# KiCad board OLD_PCB.kicad_pcb (continued)
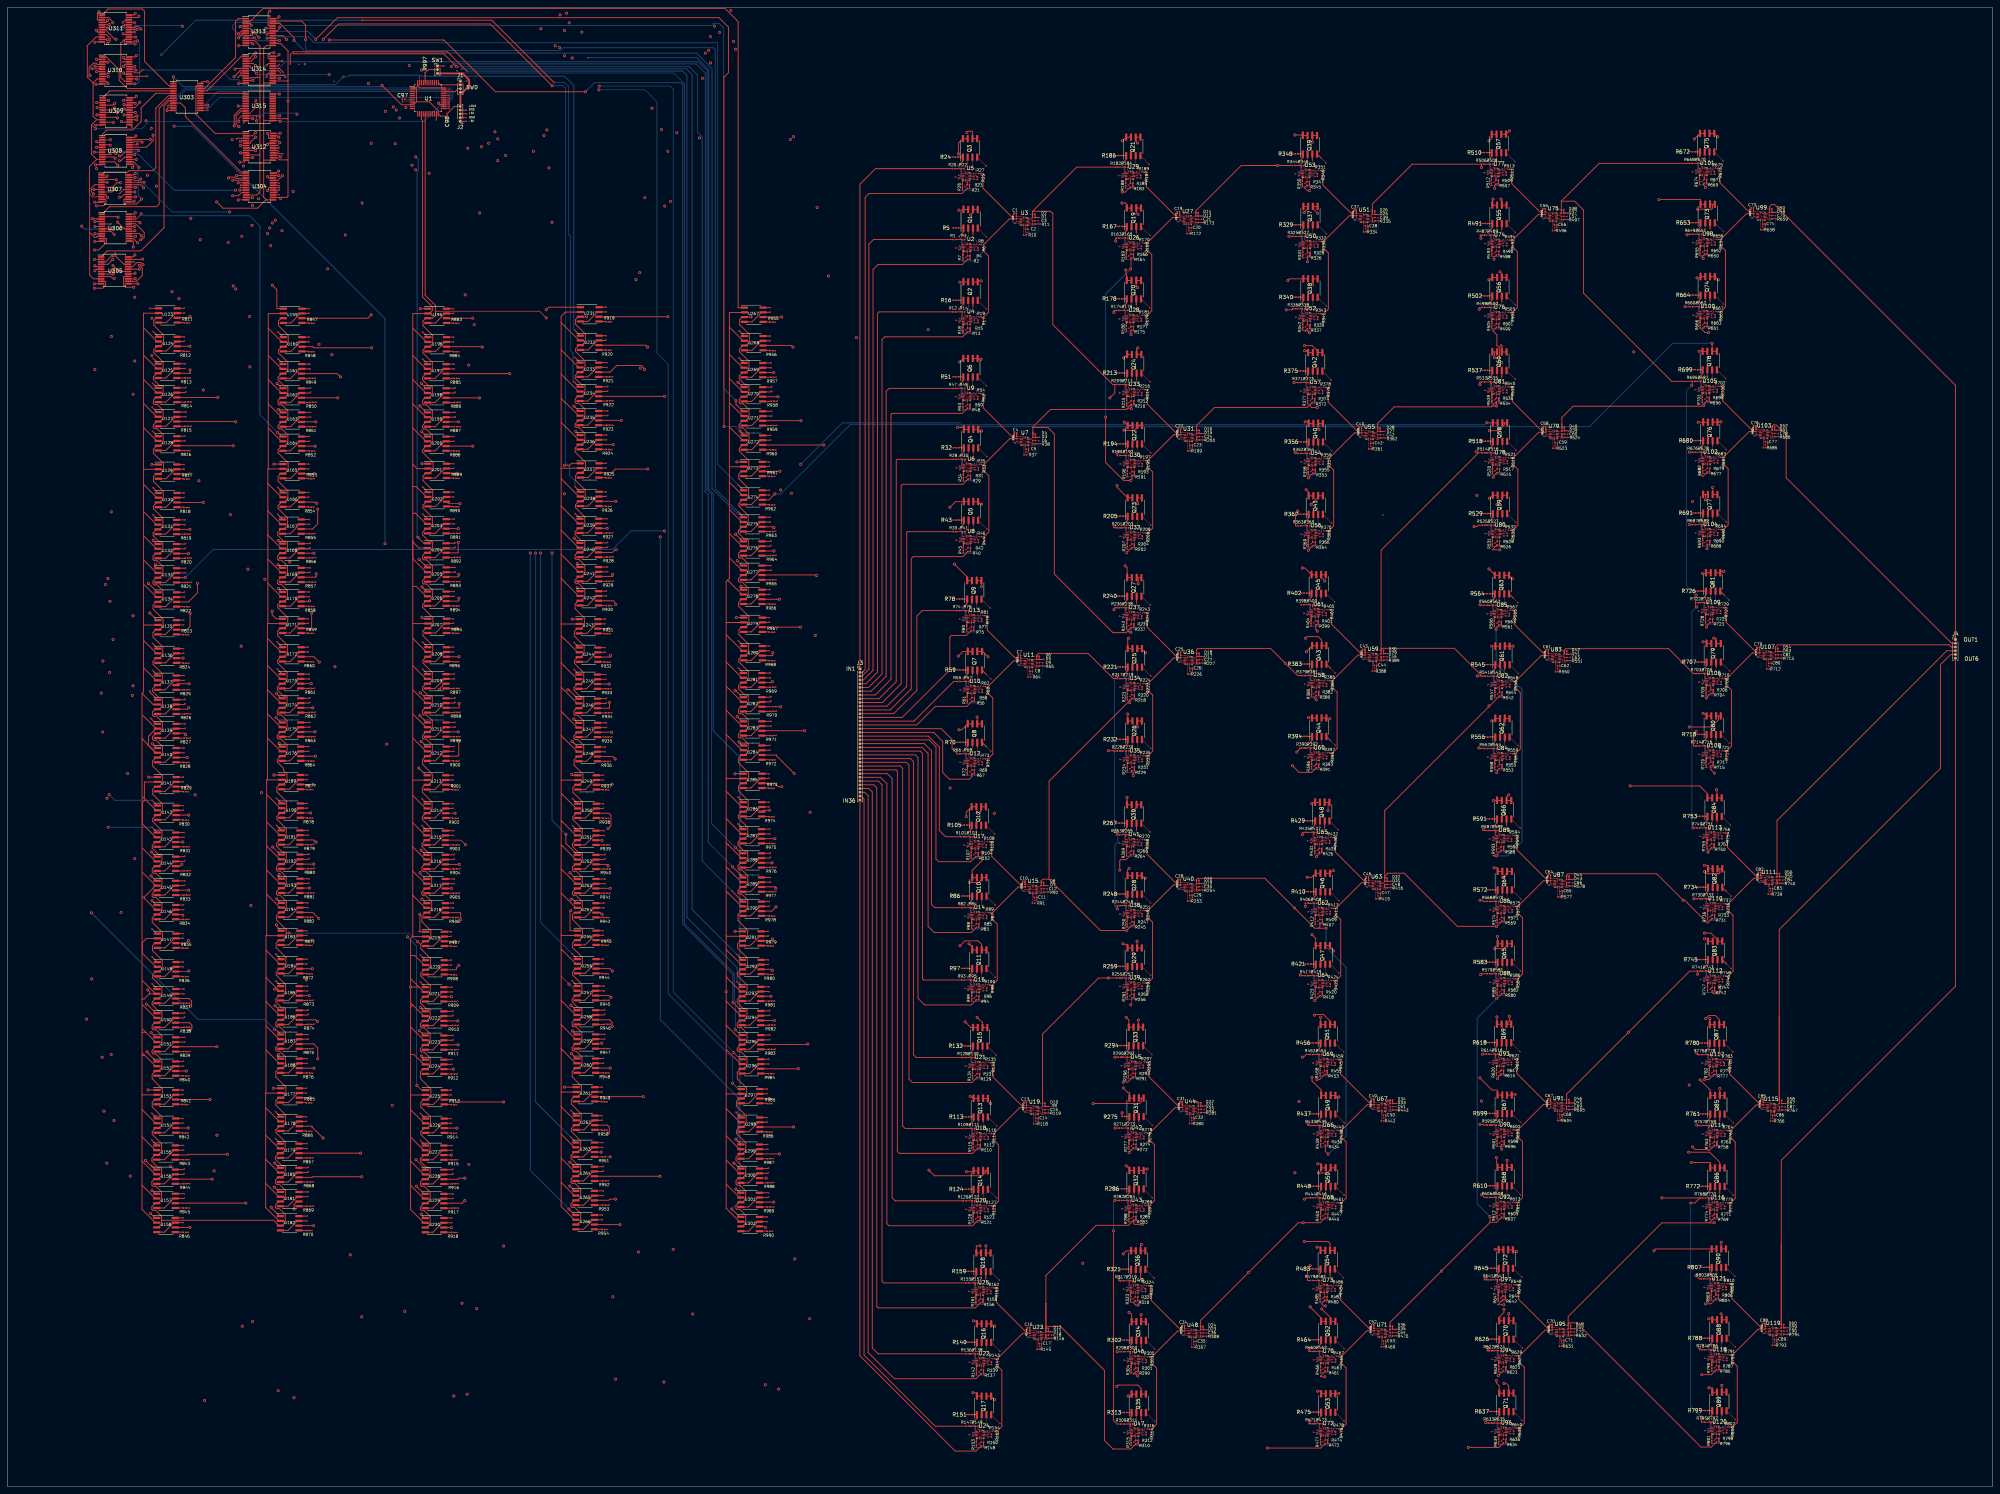
[diagram p0: board, top side]
## Routing (per net, layer and track width the routed paths; a pad name or vN(x,y) marks a point on that pad's centre or on a via; arc(x,y) is an arc through that point) (continued)
/W112: length 264.2
  Top w0.25: v2(48.71,304.54) 48.69,304.52 U124.6 ; Q3.5 258.89,359.96 257.65,359.96 Q3.6 257.63,361.88 257.55,361.96 256.44,361.96 v2(256.13,361.65)
  In1.Cu w0.25: v2(245.83,308.99) 245.83,351.35 v2(256.13,361.65)
  In2.Cu w0.25: v2(48.71,304.54) 81.31,304.54 83.12,306.35 158.74,306.35 159.14,306.75 160.38,306.75 161.63,308 195.65,308 196.64,308.99 v2(245.83,308.99)
/W113: length 250.8
  Top w0.25: Q1.8 255.24,342.01 Q1.8 ; Q1.8 255.26,341.03 ; Q1.8 255.07,340.87 v2(254,340.87) ; 255.26,341.03 255.23,341.03 ; 255.26,341.03 256.5,341.03 Q1.7 ; U125.6 48.79,297.32 48.81,297.34 48.73,297.41 v2(48.73,298.2)
  In1.Cu w0.25: v2(48.73,298.2) 48.73,298.84 51.48,301.59 v2(51.48,332.99)
  In2.Cu w0.25: v2(254,340.87) 253.98,340.85 215.87,340.85 215.85,340.87 94.22,340.87 86.35,332.99 v2(51.48,332.99)
/W114: length 259.7
  Top w0.25: Q1.5 259.04,341.03 257.8,341.03 Q1.6 ; v2(56.17,290.86) 45.23,290.86 45.21,290.87 U126.6 ; Q1.6 257.78,340.24 v2(257.15,339.6) ; Q1.6 257.78,341.99 Q1.6
  In1.Cu w0.25: v2(56.17,290.86) 58.92,293.61 v2(58.92,332.23)
  In2.Cu w0.25: v2(257.15,339.6) 145.02,339.6 140.96,335.54 90.31,335.54 87,332.23 v2(58.92,332.23)
/W115: length 249.8
  Top w0.25: Q2.8 255.24,322.69 255.24,322.69 Q2.8 ; Q2.8 255.25,321.7 ; Q2.7 256.5,321.7 255.25,321.7 ; 255.25,321.7 255.22,321.7 255.15,321.63 v2(254.28,321.63) ; v2(60.93,284.33) 60.8,284.46 45.23,284.46 U127.6
  In2.Cu w0.25: v2(254.28,321.63) 246.95,321.63 244.95,319.64 61.13,319.64 v2(60.93,319.84)
  In3.Cu w0.25: v2(60.93,284.33) v2(60.93,319.84)
/W116: length 263.1
  Top w0.25: Q2.6 257.78,322.67 257.78,322.67 Q2.6 ; Q2.6 257.79,321.7 259.04,321.7 Q2.5 259.33,322 v2(259.97,322) ; U128.6 45.21,277.96 v2(60.27,277.96)
  In2.Cu w0.25: v2(259.97,322) 259.61,322.36 247.03,322.36 244.76,320.09 67.27,320.09 66.73,320.63 v2(60.27,320.63)
  In3.Cu w0.25: v2(60.27,320.63) 60.2,320.56 60.2,278.03 v2(60.27,277.96)
/W121: length 224
  Top w0.25: v2(254.21,300.29) 255.18,301.26 255.21,301.26 ; 255.21,301.26 256.45,301.26 Q6.7 ; 255.21,301.26 Q6.8 ; U129.6 v2(48.62,270.42)
  In2.Cu w0.25: v2(254.21,300.29) 248.27,294.35 195.54,294.35 195.35,294.17 163.11,294.17 151.42,282.48 60.68,282.48 v2(48.62,270.42)
/W122: length 250.8
  Top w0.25: v2(259.93,301.06) 259.22,301.06 Q6.5 258.99,301.26 257.75,301.26 Q6.6 ; U130.6 v2(52.28,262.82)
  In2.Cu w0.25: v2(52.28,292.85) 157.87,292.85 160.82,295.81 196.06,295.81 201.76,301.51 259.48,301.51 v2(259.93,301.06)
  In3.Cu w0.25: v2(52.28,262.82) v2(52.28,292.85)
/W123: length 231
  Top w0.25: 255.34,282.82 255.34,283.31 Q4.8 255.36,282.33 256.6,282.33 Q4.7 ; 255.34,282.82 255.34,282.34 ; 255.34,282.82 253.69,282.82 v2(253.64,282.88) ; U131.6 v2(48.71,255.62)
  In2.Cu w0.25: v2(51.11,268.62) 140.77,268.62 147.4,275.25 193.88,275.25 194.05,275.42 205.25,275.42 212.72,282.88 v2(253.64,282.88)
  In3.Cu w0.25: v2(48.71,255.62) 51.11,258.01 v2(51.11,268.62)
/W124: length 232.8
  Top w0.25: v2(48.35,249.15) 45.15,249.15 45.13,249.17 U132.6 ; 257.88,282.34 257.88,283.29 Q4.6 257.9,282.33 259.14,282.33 Q4.5 259.6,281.89 v2(260.08,281.89)
  In2.Cu w0.25: v2(260.08,281.89) 259.89,281.7 213.04,281.7 205.85,274.51 194.42,274.51 194.25,274.34 172.53,274.34 161.42,263.23 120.32,263.23 114.6,257.51 56.71,257.51 v2(48.35,249.15)
/W125: length 221.8
  Top w0.25: Q5.8 253.11,263.01 v2(251.6,261.5) ; Q5.8 255.34,263.99 Q5.8 ; Q5.8 255.35,263 256.6,263 Q5.7 ; v2(47.5,242.8) 47.41,242.72 U133.6
  In4.Cu w0.25: v2(175.4,255.2) 181.7,261.5 v2(251.6,261.5)
  Bottom w0.25: v2(175.4,255.2) 166.47,255.2 161.5,250.23 54.93,250.23 v2(47.5,242.8)
/W126: length 231.8
  Top w0.25: Q5.6 257.89,263 259.14,263 Q5.5 259.79,262.37 v2(260.07,262.37) ; Q5.6 257.88,263.97 Q5.6 ; v2(50.73,241.22) 50.73,238.68 48.3,236.25 45.14,236.25 45.12,236.27
  In2.Cu w0.25: v2(50.73,241.22) 52.54,243.03 82.97,243.03 83.14,242.87 193.42,242.87 203.65,253.09 210.91,253.09 220.19,262.37 v2(260.07,262.37)
/W131: length 225.4
  Top w0.25: 256.24,242.91 256.24,242.91 256.24,241.94 ; 256.24,242.91 Q9.8 256.25,241.93 257.5,241.93 Q9.7 ; 256.24,242.91 v2(252.82,246.33) ; v2(48.74,233.28) 48.74,229.67 47.91,228.84 U135.6
  In2.Cu w0.25: v2(252.82,246.33) 208.49,246.33 198.42,236.27 162.09,236.27 161.6,235.78 73.72,235.78 70.94,233 49.02,233 v2(48.74,233.28)
/W132: length 228
  Top w0.25: Q9.5 260.04,241.93 259.87,241.93 ; U136.6 v2(46.91,221.24) ; 258.78,241.94 258.78,242.89 258.78,242.89 Q9.6 258.79,241.93 259.87,241.93 ; v2(260.03,240.35) 260.03,241.78 259.87,241.93
  In2.Cu w0.25: v2(260.03,240.35) 226.41,240.35 207.13,221.08 204.63,221.08 204.34,220.79 83.64,220.79 83.19,221.24 v2(46.91,221.24)
/W133: length 218.9
  Top w0.25: U137.6 45.35,214.39 v2(48.5,214.39) ; Q7.7 257.65,222.99 256.4,222.99 Q7.8 ; Q7.8 255.1,223 v2(253.9,221.8) ; Q7.8 256.39,223.97 256.39,223
  In4.Cu w0.25: v2(253.9,221.8) 167.1,221.8 159.69,214.39 82.12,214.39 81.42,213.69 49.2,213.69 v2(48.5,214.39)
/W134: length 234.6
  Top w0.25: 258.93,223 258.93,223.95 Q7.6 258.94,222.99 260.19,222.99 Q7.5 260.4,223 v2(261.8,221.6) ; v2(48.4,208) 47.99,207.59 U138.6
  In4.Cu w0.25: v2(261.8,221.6) 259.62,223.78 166.68,223.78 160.4,217.5 50.59,217.5 47.77,214.69 47.77,211.03 48.4,210.4 v2(48.4,208)
/W135: length 239.9
  Top w0.25: 256.39,203.67 Q8.8 ; 256.39,203.67 257.64,203.67 Q8.7 ; 256.39,203.67 256.38,203.67 254.83,202.12 v2(254.05,202.12) ; Q8.8 256.38,204.65 Q8.8 ; 45.02,201.16 U139.6 45.02,201.16 ; 45.02,201.16 45.03,201.17 47.56,201.17 v2(47.56,200.76)
  In1.Cu w0.25: v2(251.68,186.53) 251.68,199.75 v2(254.05,202.12)
  In2.Cu w0.25: v2(47.56,200.76) 64.86,200.76 74.47,191.16 216.84,191.16 226.4,181.59 229,181.59 233.94,186.53 v2(251.68,186.53)
/W136: length 250.3
  Top w0.25: v2(48,194.7) 47.99,194.69 U140.6 ; Q8.5 260.18,203.67 258.93,203.67 Q8.6 ; Q8.6 258.92,204.63 Q8.6 ; Q8.6 258.92,205.48 v2(258.9,205.5)
  In4.Cu w0.25: v2(48,194.7) 49.1,195.8 159.33,195.8 159.41,195.73 214.21,195.73 227.29,182.65 254.75,182.65 265,192.9 265,199.4 v2(258.9,205.5)
/W141: length 220
  Top w0.25: U141.6 47.82,186.92 v2(48,187.1) ; v2(256,178.9) 256,180.12 Q12.8 257.44,181.54 258.69,181.54 Q12.7
  In4.Cu w0.25: v2(256,178.9) 230,178.9 220.6,188.3 161.12,188.3 161.05,188.23 49.12,188.23 v2(48,187.1)
/W142: length 220.6
  Top w0.25: Q12.6 259.97,181.54 ; 259.97,181.54 261.23,181.54 Q12.5 ; 259.97,181.54 259.95,181.54 259.95,180.47 v2(259.23,179.75) ; U142.6 v2(48.39,179.32)
  In2.Cu w0.25: v2(259.23,179.75) 236.19,179.75 232.81,176.38 160.72,176.38 160.66,176.43 160.06,176.43 159.61,175.99 51.72,175.99 v2(48.39,179.32)
/W143: length 228
  Top w0.25: Q10.8 257.58,163.59 ; Q10.8 257.58,163.59 ; Q10.8 257.59,162.6 258.84,162.6 Q10.7 ; 257.58,163.59 257.58,164.56 260.23,167.2 v2(260.23,169.43) ; U143.6 v2(46.81,172.12)
  In2.Cu w0.25: v2(260.23,169.43) 255.9,173.75 204.55,173.75 204.11,173.31 48,173.31 v2(46.81,172.12)
/W144: length 222.1
  Top w0.25: 260.13,162.6 260.11,162.6 260.11,162.13 259.29,161.31 v2(256.84,161.31) ; 260.13,162.6 Q10.6 ; 260.13,162.6 261.38,162.6 Q10.5 ; Q10.6 260.12,163.57 Q10.6 ; U144.6 46.04,165.67 v2(46.56,166.19)
  In2.Cu w0.25: v2(46.56,166.19) 46.56,165.81 49.64,162.72 72.87,162.72 73.35,163.2 254.95,163.2 v2(256.84,161.31)
/W145: length 222.7
  Top w0.25: v2(256.71,144.96) 257.16,144.51 257.57,144.51 257.57,144.26 ; 257.57,144.26 Q11.8 ; 257.57,144.26 Q11.8 ; Q11.8 257.59,143.28 258.83,143.28 Q11.7 ; U145.6 44.93,159.26 v2(48.37,159.26)
  In2.Cu w0.25: v2(48.37,159.26) 53.6,154.02 110.74,154.02 111.69,153.07 150.7,153.07 151.2,153.57 247.49,153.57 256.1,144.96 v2(256.71,144.96)
/W146: length 224.1
  Top w0.25: 260.09,143.28 260.14,143.28 ; 260.14,143.28 260.13,143.29 Q11.6 ; 260.14,143.28 261.37,143.28 Q11.5 ; v2(254.31,144.41) 255.63,145.73 259.16,145.73 260.11,144.78 260.11,144.24 ; Q11.6 260.11,144.24 ; Q11.6 260.11,144.24 ; v2(46.81,152.59) 46.63,152.77 U146.6
  In2.Cu w0.25: v2(46.81,152.59) 109.34,152.59 109.81,152.12 115.23,152.12 115.64,152.52 158.02,152.52 158.42,152.12 159.02,152.12 159.43,152.52 186.93,152.52 193.99,145.47 253.26,145.47 v2(254.31,144.41)
/W151: length 232.4
  Top w0.2: 44.98,145.12 47.62,145.12 v2(48.3,145.8)
  Top w0.25: Q15.7 259.05,122.56 257.81,122.56 Q15.8 257.22,122.58 v2(255.7,124.1)
  In4.Cu w0.25: v2(48.3,145.8) 52.7,141.4 146.6,141.4 161.5,126.5 258.9,126.5 259.62,125.78 259.62,124.83 258.9,124.1 v2(255.7,124.1)
/W152: length 223.7
  Top w0.2: U148.6 48.23,137.53 v2(48.4,137.7)
  Top w0.25: v2(258.9,125.3) 260.33,123.87 Q15.6 260.35,122.56 261.59,122.56 Q15.5
  In4.Cu w0.25: v2(48.4,137.7) 79.8,137.7 92.2,125.3 v2(258.9,125.3)
/W153: length 228.6
  Top w0.25: Q13.8 257.42,104.16 v2(257.04,104.16) ; Q13.8 257.94,104.61 257.94,103.64 ; Q13.8 257.96,103.63 259.2,103.63 Q13.7 ; v2(48.83,128.27) 49.16,128.6 49.16,129.63 48.46,130.33 U149.6
  In2.Cu w0.25: v2(257.04,104.16) 216.3,104.16 205.54,114.93 204.48,114.93 200.9,118.51 159.58,118.51 157.19,120.9 121.25,120.9 116.61,125.54 51.56,125.54 v2(48.83,128.27)
/W154: length 232.9
  Top w0.25: 260.48,103.64 260.48,104.59 Q13.6 260.5,103.63 261.74,103.63 Q13.5 261.75,102.95 v2(262.46,102.24) ; U150.6 44.88,123.88 44.9,123.86 48.6,123.86 49.24,123.22 49.24,122.38 v2(48.74,121.87)
  In2.Cu w0.25: v2(262.46,102.24) 216.25,102.24 204.99,113.5 161.89,113.5 156.61,118.78 120.52,118.78 119.46,119.85 80.93,119.85 80.61,120.16 50.44,120.16 v2(48.74,121.87)
/W155: length 244.4
  Top w0.25: 257.95,84.3 257.92,84.3 257.71,84.09 v2(256.04,84.09) ; 257.95,84.3 259.2,84.3 Q14.7 ; 257.95,84.3 Q14.8 ; U151.6 44.91,117.46 v2(55.92,117.46) ; Q14.8 257.94,85.29 Q14.8
  In2.Cu w0.25: v2(256.04,84.09) 255.7,83.74 211.76,83.74 210.31,85.19 203.93,85.19 201.79,87.33 142.86,87.33 137.47,92.72 117.8,92.72 116.69,93.83 v2(55.92,93.83)
  In3.Cu w0.25: v2(55.92,117.46) v2(55.92,93.83)
/W156: length 231.8
  Top w0.25: v2(246.03,84.47) 247.5,82.99 260.24,82.99 261.13,83.88 261.13,84.3 ; Q14.6 260.49,84.3 261.13,84.3 ; Q14.6 260.48,85.27 Q14.6 ; 261.13,84.3 261.74,84.3 Q14.5 ; U152.6 44.89,110.96 v2(47.77,110.96)
  In2.Cu w0.25: v2(47.77,110.96) 71.63,110.96 82.18,100.41 111.14,100.41 116.67,94.88 140.95,94.88 144.64,91.2 198.58,91.2 203.97,85.81 210.33,85.81 211.67,84.47 v2(246.03,84.47)
/W161: length 246.5
  Top w0.25: 258.68,63.32 Q18.8 ; 258.68,63.32 258.68,64.26 v2(259.66,64.26) ; 258.68,63.32 Q18.8 ; Q18.8 258.69,62.38 259.94,62.38 Q18.7 ; U153.6 v2(54.05,103.36)
  In1.Cu w0.25: v2(55.17,84.28) 55.17,102.24 v2(54.05,103.36)
  In2.Cu w0.25: v2(55.17,84.28) 76.14,84.28 80.96,79.46 155.59,79.46 170.36,64.69 259.23,64.69 v2(259.66,64.26)
/W162: length 233.5
  Top w0.25: 261.22,63.34 Q18.6 ; 261.22,63.34 Q18.6 ; 261.22,63.34 v2(261.22,64.29) ; Q18.6 261.23,62.38 262.48,62.38 Q18.5 ; U154.6 v2(48.29,95.75)
  In2.Cu w0.25: v2(261.22,64.29) 245.56,79.95 203.82,79.95 203.09,80.68 158.64,80.68 157.75,81.58 113.59,81.58 107.93,87.24 56.8,87.24 v2(48.29,95.75)
/W163: length 257
  Top w0.25: U155.6 48.17,88.56 48.34,88.72 v2(58.7,88.72) ; Q16.7 260.09,43.44 258.83,43.44 Q16.8 258.83,44.25 v2(257.91,44.25)
  In1.Cu w0.25: v2(65.43,44.07) 65.43,81.99 v2(58.7,88.72)
  In2.Cu w0.25: v2(257.91,44.25) 257.73,44.07 v2(65.43,44.07)
/W164: length 255.8
  Top w0.25: v2(54.63,82.09) 44.82,82.09 44.81,82.11 U156.6 ; Q16.6 261.38,43.44 262.63,43.44 Q16.5 263.28,42.81 v2(263.55,42.81)
  In2.Cu w0.25: v2(62.7,42.81) v2(263.55,42.81)
  In3.Cu w0.25: v2(54.63,82.09) 62.7,74.03 v2(62.7,42.81)
/W165: length 261.5
  Top w0.25: 260.09,24.12 260.08,24.11 258.81,24.11 ; v2(63.63,75.69) 44.83,75.69 U157.6 ; v2(257.78,25.05) 258.82,25.05 258.82,24.12
  In2.Cu w0.25: v2(72.28,25.59) 122.79,25.59 123.33,25.05 v2(257.78,25.05)
  In3.Cu w0.25: v2(63.63,75.69) 72.28,67.03 v2(72.28,25.59)
/W166: length 265.4
  Top w0.25: 261.36,24.12 261.38,24.11 262.62,24.11 262.63,24.12 v2(263.54,23.22) ; v2(48.72,69.19) 44.81,69.19 U158.6
  In2.Cu w0.25: v2(263.54,23.22) 263.29,22.97 v2(52.62,22.97)
  In3.Cu w0.25: v2(52.62,22.97) 52.62,65.3 v2(48.72,69.19)
/W211: length 269.4
  Top w0.25: 298.71,360.36 298.68,360.36 297.72,359.41 v2(297.65,359.41) ; 298.71,360.36 Q21.8 ; 298.71,360.36 299.95,360.36 Q21.7 ; U159.6 96.23,312.02 v2(97.11,312.91)
  In2.Cu w0.25: v2(297.65,359.41) 296.47,358.23 139.75,358.23 139.54,358.02 128.11,358.02 126.78,359.35 103,359.35 102.39,358.74 v2(97.11,358.74)
  In3.Cu w0.25: v2(97.11,312.91) v2(97.11,358.74)
/W212: length 278.1
  Top w0.25: v2(97.25,304.12) 81.79,304.12 81.49,304.42 U160.6 ; Q21.5 302.49,360.36 301.23,360.36 ; v2(301.72,358.82) 301.23,359.31 301.23,360.36 ; 301.23,360.36 Q21.6
  In2.Cu w0.25: v2(301.72,358.82) 300.68,357.78 139.94,357.78 139.73,357.57 127.81,357.57 126.68,358.7 103.59,358.7 v2(103.52,358.62)
  In3.Cu w0.25: v2(97.25,304.12) 103.52,310.38 v2(103.52,358.62)
/W213: length 267.3
  Top w0.25: Q19.8 298.86,341.43 300.1,341.43 Q19.7 ; Q19.8 298.84,342.41 ; Q19.8 298.84,342.41 ; 298.84,342.41 298.47,342.78 v2(297.56,342.78) ; U161.6 88.03,297.22 v2(88.9,296.35)
  In2.Cu w0.25: v2(94.68,342.78) 176.12,342.78 176.4,342.5 177.34,342.5 177.62,342.78 v2(297.56,342.78)
  In3.Cu w0.25: v2(88.9,296.35) 94.68,302.14 v2(94.68,342.78)
/W214: length 273
  Top w0.25: Q19.6 301.38,342.39 Q19.6 ; Q19.6 301.4,341.43 ; Q19.5 302.64,341.43 301.4,341.43 ; 301.4,341.43 301.4,340.25 v2(301.88,339.76) ; U162.6 78.51,290.77 78.53,290.75 v2(88.16,290.75)
  In2.Cu w0.25: v2(301.88,339.76) 270.59,339.76 267.79,336.96 177.46,336.96 174.73,334.23 v2(90.19,334.23)
  In3.Cu w0.25: v2(88.16,290.75) 88.16,332.21 v2(90.19,334.23)
/W215: length 264.4
  Top w0.25: 298.84,323.09 298.84,323.57 298.59,323.82 v2(298.59,324.91) ; 298.84,323.09 298.84,323.09 Q20.8 ; 298.84,323.09 Q20.8 ; Q20.8 298.85,322.1 300.1,322.1 Q20.7 ; v2(82.33,284.36) 78.54,284.36 U163.6
  In1.Cu w0.25: v2(82.33,284.36) 85.47,287.5 v2(85.47,325.22)
  In2.Cu w0.25: v2(85.47,325.22) 298.28,325.22 v2(298.59,324.91)
/W216: length 261.3
  Top w0.25: v2(301.72,320.21) 301.39,320.54 301.39,322.1 ; U164.6 78.52,277.86 v2(82.14,277.86) ; Q20.6 301.38,323.07 301.38,323.07 Q20.6 ; Q20.6 301.39,322.1 ; 301.39,322.1 302.64,322.1 Q20.5
  In2.Cu w0.25: v2(83.19,305.07) 170.22,305.07 172.47,307.32 202.79,307.32 203.72,308.26 249.02,308.26 260.96,320.21 v2(301.72,320.21)
  In3.Cu w0.25: v2(83.19,305.07) 83.19,278.91 v2(82.14,277.86)
/W221: length 236.8
  Top w0.25: v2(298.03,301.4) 298.93,302.3 298.96,302.3 ; 298.96,302.3 300.2,302.3 Q24.7 ; 298.96,302.3 Q24.8 ; Q24.8 298.95,303.28 Q24.8 ; U165.6 v2(81.89,270.52)
  In2.Cu w0.25: v2(298.03,301.4) 289.78,293.15 186.85,293.15 169.56,275.86 87.23,275.86 v2(81.89,270.52)
/W222: length 266.4
  Top w0.25: 301.49,303.26 301.49,303.8 v2(301.79,304.1) ; 301.49,303.26 Q24.6 ; 301.49,303.26 Q24.6 ; Q24.6 301.5,302.3 302.74,302.3 Q24.5 ; v2(82.59,262.59) 82.22,262.59 81.89,262.92 U166.6
  In2.Cu w0.25: v2(86.61,302.29) 172.26,302.29 175,305.04 300.85,305.04 v2(301.79,304.1)
  In3.Cu w0.25: v2(86.61,302.29) 86.61,266.61 v2(82.59,262.59)
/W223: length 236.5
  Top w0.25: v2(298.17,284.27) 299.08,283.36 299.11,283.36 ; 299.11,283.36 299.09,283.38 ; 299.11,283.36 300.35,283.36 300.36,283.38 ; v2(82.82,261.03) 82.82,257.08 81.46,255.72 U167.6
  In2.Cu w0.25: v2(82.82,261.03) 85.48,263.69 161.23,263.69 172.34,274.79 194.06,274.79 194.23,274.96 205.66,274.96 212.85,282.16 254.19,282.16 256.31,284.27 v2(298.17,284.27)
/W224: length 239.6
  Top w0.25: 301.65,283.36 301.61,283.36 301.61,282.9 300.73,282.02 298.18,282.02 v2(298.08,282.12) ; 301.65,283.36 301.63,283.38 ; 301.65,283.36 302.89,283.36 302.9,283.38 ; U168.6 78.41,249.27 78.43,249.26 v2(81.85,249.26)
  In2.Cu w0.25: v2(81.85,249.26) 112.29,249.26 125.8,262.76 161.75,262.76 162.14,262.37 167.81,262.37 176.22,270.78 205.53,270.78 205.91,270.41 206.51,270.41 206.89,270.78 259.42,270.78 270.75,282.12 v2(298.08,282.12)
/W225: length 234.2
  Top w0.25: U169.6 78.44,242.86 82.23,242.86 82.42,243.05 v2(82.42,243.76) ; v2(296.26,267.33) 296.26,266.88 Q23.8 299.09,264.04 300.35,264.04 Q23.7
  In2.Cu w0.25: v2(82.42,243.76) 115.18,243.76 131.91,260.49 190.87,260.49 197.74,267.35 296.24,267.35 v2(296.26,267.33)
/W226: length 237.2
  Top w0.25: Q23.5 302.89,264.04 301.64,264.04 ; v2(301.74,262.47) 301.74,263.92 301.62,264.04 301.64,264.04 ; v2(80.63,236.51) 80.63,236.36 78.42,236.36 U170.6 ; 301.64,264.04 Q23.6
  In2.Cu w0.25: v2(301.74,262.47) 266.07,262.47 252.4,248.8 209.98,248.8 197.9,236.72 161.9,236.72 161.69,236.51 v2(80.63,236.51)
/W231: length 235
  Top w0.25: 298.95,243.68 298.95,245.36 v2(298.42,245.89) ; 298.95,243.68 Q27.8 ; 298.95,243.68 Q27.8 ; 78.4,229.22 81.2,229.22 v2(81.2,233.29) ; Q27.7 300.2,242.7 298.96,242.7 Q27.8
  In2.Cu w0.25: v2(298.42,245.89) 261.93,245.89 261.18,245.14 216.81,245.14 205.39,233.73 81.64,233.73 v2(81.2,233.29)
/W232: length 238.2
  Top w0.25: Q27.5 302.74,242.7 301.5,242.7 ; 301.5,242.7 Q27.6 ; 301.5,242.7 301.48,242.7 301.88,242.3 v2(301.88,241.1) ; Q27.6 301.49,243.66 Q27.6 ; v2(83.24,220.16) 83.24,220.16 81.79,221.62 78.4,221.62
  In2.Cu w0.25: v2(83.24,220.16) 94.41,220.16 95,219.57 206.26,219.57 215.99,229.3 247.37,229.3 254.91,236.84 297.62,236.84 v2(301.88,241.1)
/W233: length 230.2
  Top w0.25: v2(299.36,226.54) 299.09,226.28 299.09,223.78 299.11,223.76 300.35,223.76 300.36,223.78 ; U173.6 v2(81.12,214.42)
  In2.Cu w0.25: v2(299.36,226.54) 218.64,226.54 209.99,217.89 152.06,217.89 148.59,214.42 v2(81.12,214.42)
/W234: length 234.4
  Top w0.25: v2(81.52,207.95) 78.32,207.95 78.31,207.97 U174.6 ; 301.63,223.78 301.65,223.76 302.89,223.76 302.9,223.78 302.9,223.57 v2(303.82,222.65)
  In2.Cu w0.25: v2(303.82,222.65) 219.22,222.65 209.38,212.81 208.04,212.81 203.91,208.68 121.16,208.68 120.43,207.95 v2(81.52,207.95)
/W235: length 237.8
  Top w0.25: Q26.7 300.35,204.44 299.1,204.44 Q26.8 v2(299.09,206.3) ; v2(82.12,201.55) 78.33,201.55 U175.6
  In2.Cu w0.25: v2(299.09,206.3) 282.47,206.3 268.17,220.6 217.8,220.6 209.57,212.36 208.23,212.36 204.1,208.23 121.35,208.23 114.67,201.55 v2(82.12,201.55)
/W236: length 239.7
  Top w0.25: v2(301.63,202.86) Q26.6 301.64,204.44 302.89,204.44 Q26.5 ; v2(82.22,195.05) 78.31,195.05 U176.6
  In2.Cu w0.25: v2(301.63,202.86) 248.13,202.86 227.9,182.63 227.28,182.63 214.86,195.05 v2(82.22,195.05)
/W241: length 229.8
  Top w0.25: Q30.7 300.17,182.08 298.92,182.08 Q30.8 298.91,183.06 298.91,183.06 ; 78.18,187.49 v2(81.57,187.49) ; 298.91,182.09 298.91,183.06 ; 298.91,183.06 v2(298.91,184.03)
  In2.Cu w0.25: v2(298.91,184.03) 298.71,183.83 232.52,183.83 229.36,180.67 226.05,180.67 218.42,188.3 161.12,188.3 160.83,188.01 82.09,188.01 v2(81.57,187.49)
/W242: length 229.5
  Top w0.25: Q30.6 301.45,181.38 v2(300.57,180.5) ; Q30.6 301.45,182.09 301.46,182.08 302.71,182.08 Q30.5 ; Q30.6 301.45,183.04 301.45,183.04 301.45,182.09 ; 78.18,179.89 v2(80.96,179.89)
  In2.Cu w0.25: v2(80.96,179.89) 82.98,177.86 231.67,177.86 234.3,180.5 v2(300.57,180.5)
/W243: length 228
  Top w0.25: v2(82.38,172.12) 82.23,172.12 81.67,172.69 U191.6 ; v2(299.5,165.1) 299.06,164.66 Q28.8 299.06,163.14 300.32,163.14 Q28.7
  In2.Cu w0.25: v2(299.5,165.1) 298.38,166.22 206.88,166.22 205.75,167.35 162.81,167.35 158.04,172.12 v2(82.38,172.12)
/W244: length 230
  Top w0.25: Q28.6 301.61,163.14 302.86,163.14 Q28.5 303.57,162.45 v2(303.79,162.45) ; U192.6 78.09,166.24 78.1,166.22 v2(81.8,166.22)
  In2.Cu w0.25: v2(81.8,166.22) 108.87,166.22 110.64,164.45 121.14,164.45 121.36,164.66 160.11,164.66 160.93,163.85 295.9,163.85 297.29,162.45 v2(303.79,162.45)
/W245: length 230.3
  Top w0.25: v2(297.83,144.98) 298.01,144.8 299.05,144.8 Q29.8 299.07,143.81 300.31,143.81 Q29.7 ; U193.6 78.11,159.82 v2(80.63,159.82)
  In2.Cu w0.25: v2(80.63,159.82) 80.63,159.07 83.02,156.69 109.58,156.69 112.24,154.02 149.58,154.02 150.08,154.52 150.7,154.52 151.2,154.02 247.68,154.02 255.72,145.98 296.83,145.98 v2(297.83,144.98)
/W246: length 231.7
  Top w0.25: U194.6 81.47,153.34 v2(83.1,151.7) ; Q29.5 302.85,143.81 301.61,143.81 Q29.6 301.59,145.6 v2(301.6,145.6)
  In4.Cu w0.25: v2(83.1,151.7) 85.2,153.8 134.7,153.8 140.58,147.93 159.82,147.93 162.26,145.48 204.53,145.48 204.76,145.71 301.49,145.71 v2(301.6,145.6)
/W251: length 233.4
  Top w0.25: Q33.7 300.65,122.66 299.39,122.66 Q33.8 299.39,124.62 v2(298.7,125.31) ; U183.6 v2(81.39,145.89)
  In2.Cu w0.25: v2(298.7,125.31) 283.96,140.05 161.04,140.05 157.41,143.69 83.59,143.69 v2(81.39,145.89)
/W252: length 233.5
  Top w0.25: U184.6 v2(81.39,138.29) ; v2(301.94,124.58) 301.94,122.66 303.19,122.66 Q33.5
  In2.Cu w0.25: v2(81.39,138.29) 81.56,138.45 159.78,138.45 159.85,138.38 203.73,138.38 203.91,138.56 247.19,138.56 261.62,124.13 301.48,124.13 v2(301.94,124.58)
/W253: length 236.3
  Top w0.25: 299.54,104.71 Q31.8 299.56,103.73 300.8,103.73 Q31.7 ; 299.54,104.71 299.54,103.74 ; 299.54,104.71 299.54,105.2 299.13,105.2 v2(297.9,106.43) ; U185.6 v2(80.57,131.09)
  In2.Cu w0.25: v2(297.9,106.43) 217.76,106.43 205.8,118.39 203.71,118.39 197.3,124.8 149.04,124.8 145.5,128.34 110.88,128.34 110.56,128.66 109.96,128.66 109.64,128.34 94.49,128.34 91.75,131.09 v2(80.57,131.09)
/W254: length 238.5
  Top w0.25: Q31.5 303.34,103.73 302.73,103.73 ; 302.73,103.73 302.73,102.73 302.28,102.28 v2(289.88,102.28) ; 302.73,103.73 302.1,103.73 Q31.6 302.08,104.69 302.08,103.74 ; U186.6 77.91,124.64 77.93,124.62 82.33,124.62 v2(82.77,124.17)
  In2.Cu w0.25: v2(82.77,124.17) 85.99,120.96 110.61,120.96 110.67,121.02 119.66,121.02 120.99,119.7 156.33,119.7 158.49,117.55 200.58,117.55 204.1,114.02 205.16,114.02 216.2,102.98 289.17,102.98 v2(289.88,102.28)
/W255: length 239.6
  Top w0.25: 299.54,84.85 Q32.8 ; 299.54,84.85 299.54,85.29 299.07,85.29 v2(298.7,85.66) ; 299.54,84.85 Q32.8 ; Q32.8 299.55,84.4 300.8,84.4 Q32.7 ; v2(82.83,114.23) 82.83,117.11 81.73,118.22 77.94,118.22 77.9,118.19
  In2.Cu w0.25: v2(82.83,114.23) 104.27,114.23 117.19,101.3 201.42,101.3 216.38,86.35 247.68,86.35 248.13,85.89 298.46,85.89 v2(298.7,85.66)
/W256: length 241.8
  Top w0.25: v2(81.83,111.72) 77.92,111.72 U188.6 ; v2(304.26,84.78) 303.71,84.78 Q32.5 303.34,84.4 302.09,84.4 Q32.6 ; Q32.6 302.08,85.37 Q32.6
  In2.Cu w0.25: v2(81.83,111.72) 92.46,101.09 111.33,101.09 112.23,100.18 147.31,100.18 150.69,96.8 205.28,96.8 216.19,85.89 247.5,85.89 247.95,85.44 256.35,85.44 257.01,84.78 v2(304.26,84.78)
/W261: length 261.4
  Top w0.25: Q36.8 300,63.92 300,63.92 Q36.8 ; Q36.8 300.01,62.94 ; Q36.7 301.25,62.94 300.01,62.94 ; 300.01,62.94 298.7,62.94 v2(297.9,62.13) ; U177.6 v2(80.83,103.83)
  In1.Cu w0.25: v2(91.54,61.88) 91.54,93.11 v2(80.83,103.83)
  In2.Cu w0.25: v2(297.9,62.13) 297.65,61.88 v2(91.54,61.88)
/W262: length 242.1
  Top w0.25: 302.56,62.94 302.55,62.95 Q36.6 ; 302.56,62.94 303.79,62.94 Q36.5 ; 302.56,62.94 302.52,62.94 ; Q36.6 302.54,63.9 302.54,63.9 ; Q36.6 302.54,63.9 ; v2(302.76,64.66) 302.54,64.44 302.54,63.9 ; v2(84.25,93.08) 81.31,96.02 81.31,96.23 U178.6
  In2.Cu w0.25: v2(302.76,64.66) 286.98,80.43 203.98,80.43 203.28,81.14 159.06,81.14 154.91,85.28 119.51,85.28 111.71,93.08 v2(84.25,93.08)
/W263: length 261.9
  Top w0.25: Q34.7 301.4,44 300.16,44 Q34.8 ; v2(299.46,46.51) 299.59,46.51 300.15,45.95 300.15,44.72 ; 300.15,44.72 Q34.8 ; 300.15,44.72 Q34.8 ; 77.82,89.03 v2(94.28,89.03)
  In1.Cu w0.25: v2(106.07,46.78) 106.07,77.24 v2(94.28,89.03)
  In2.Cu w0.25: v2(299.46,46.51) 299.18,46.78 v2(106.07,46.78)
/W264: length 266.9
  Top w0.25: Q34.6 302.69,44.96 ; Q34.6 302.69,44.96 ; Q34.6 302.7,44 303.94,44 Q34.5 ; 302.69,44.96 v2(302.69,45.91) ; v2(94.58,82.73) 81.43,82.73 81.25,82.56 77.84,82.56 77.83,82.58 77.82,82.58
  In1.Cu w0.25: v2(94.58,82.73) v2(94.58,45.33)
  In2.Cu w0.25: v2(94.58,45.33) 198.18,45.33 198.4,45.55 298.75,45.55 298.97,45.33 302.1,45.33 v2(302.69,45.91)
/W265: length 280.7
  Top w0.25: 300.15,24.68 Q35.8 ; 300.15,24.68 301.4,24.68 Q35.7 ; 300.15,24.68 300.12,24.68 299.65,24.2 v2(299.22,24.2) ; Q35.8 300.14,25.66 Q35.8 ; 77.82,76.12 77.32,76.12 76.51,75.32 v2(76.51,74.1)
  In1.Cu w0.25: v2(76.51,74.1) v2(76.51,23.72)
  In2.Cu w0.25: v2(299.22,24.2) 259.24,24.2 258.46,23.42 76.81,23.42 v2(76.51,23.72)
/W266: length 260.9
  Top w0.25: 302.68,25.64 302.68,26.18 301.76,27.1 296.54,27.1 v2(296.16,26.72) ; 302.68,25.64 Q35.6 ; 302.68,25.64 Q35.6 ; Q35.6 302.69,24.68 303.94,24.68 Q35.5 ; 77.82,69.68 77.83,69.66 v2(81.74,69.66)
  In2.Cu w0.25: v2(81.74,69.66) 91.79,59.61 v2(287.09,59.61)
  In3.Cu w0.25: v2(296.16,26.72) 287.09,35.8 v2(287.09,59.61)
/W311: length 277.5
  Top w0.25: 345.86,360.8 Q39.8 ; 345.86,360.8 345.83,360.8 ; 345.86,360.8 347.1,360.8 Q39.7 ; Q39.8 345.85,361.78 Q39.8 ; Q39.8 345.71,360.94 v2(343.74,360.94) ; 117.19,312.02 v2(124.22,312.02)
  In2.Cu w0.25: v2(128.47,358.75) 206.87,358.75 209.35,361.22 255.53,361.22 255.83,360.92 256.43,360.92 256.59,361.08 343.6,361.08 v2(343.74,360.94)
  In3.Cu w0.25: v2(128.47,358.75) 124.22,354.5 v2(124.22,312.02)
/W312: length 291.2
  Top w0.25: U196.6 126.69,304.42 v2(126.79,304.32) ; Q39.6 348.39,361.76 Q39.6 ; Q39.6 v2(348.39,359.01) ; Q39.6 348.4,360.8 349.64,360.8 Q39.5
  In1.Cu w0.25: v2(126.79,304.32) 126.79,357.56 v2(126.52,357.83)
  In2.Cu w0.25: v2(348.39,359.01) 346.7,357.33 140.13,357.33 139.91,357.11 127.24,357.11 v2(126.52,357.83)